# Allegro board reComputer Industrial J201_V1.2.brd (continued)
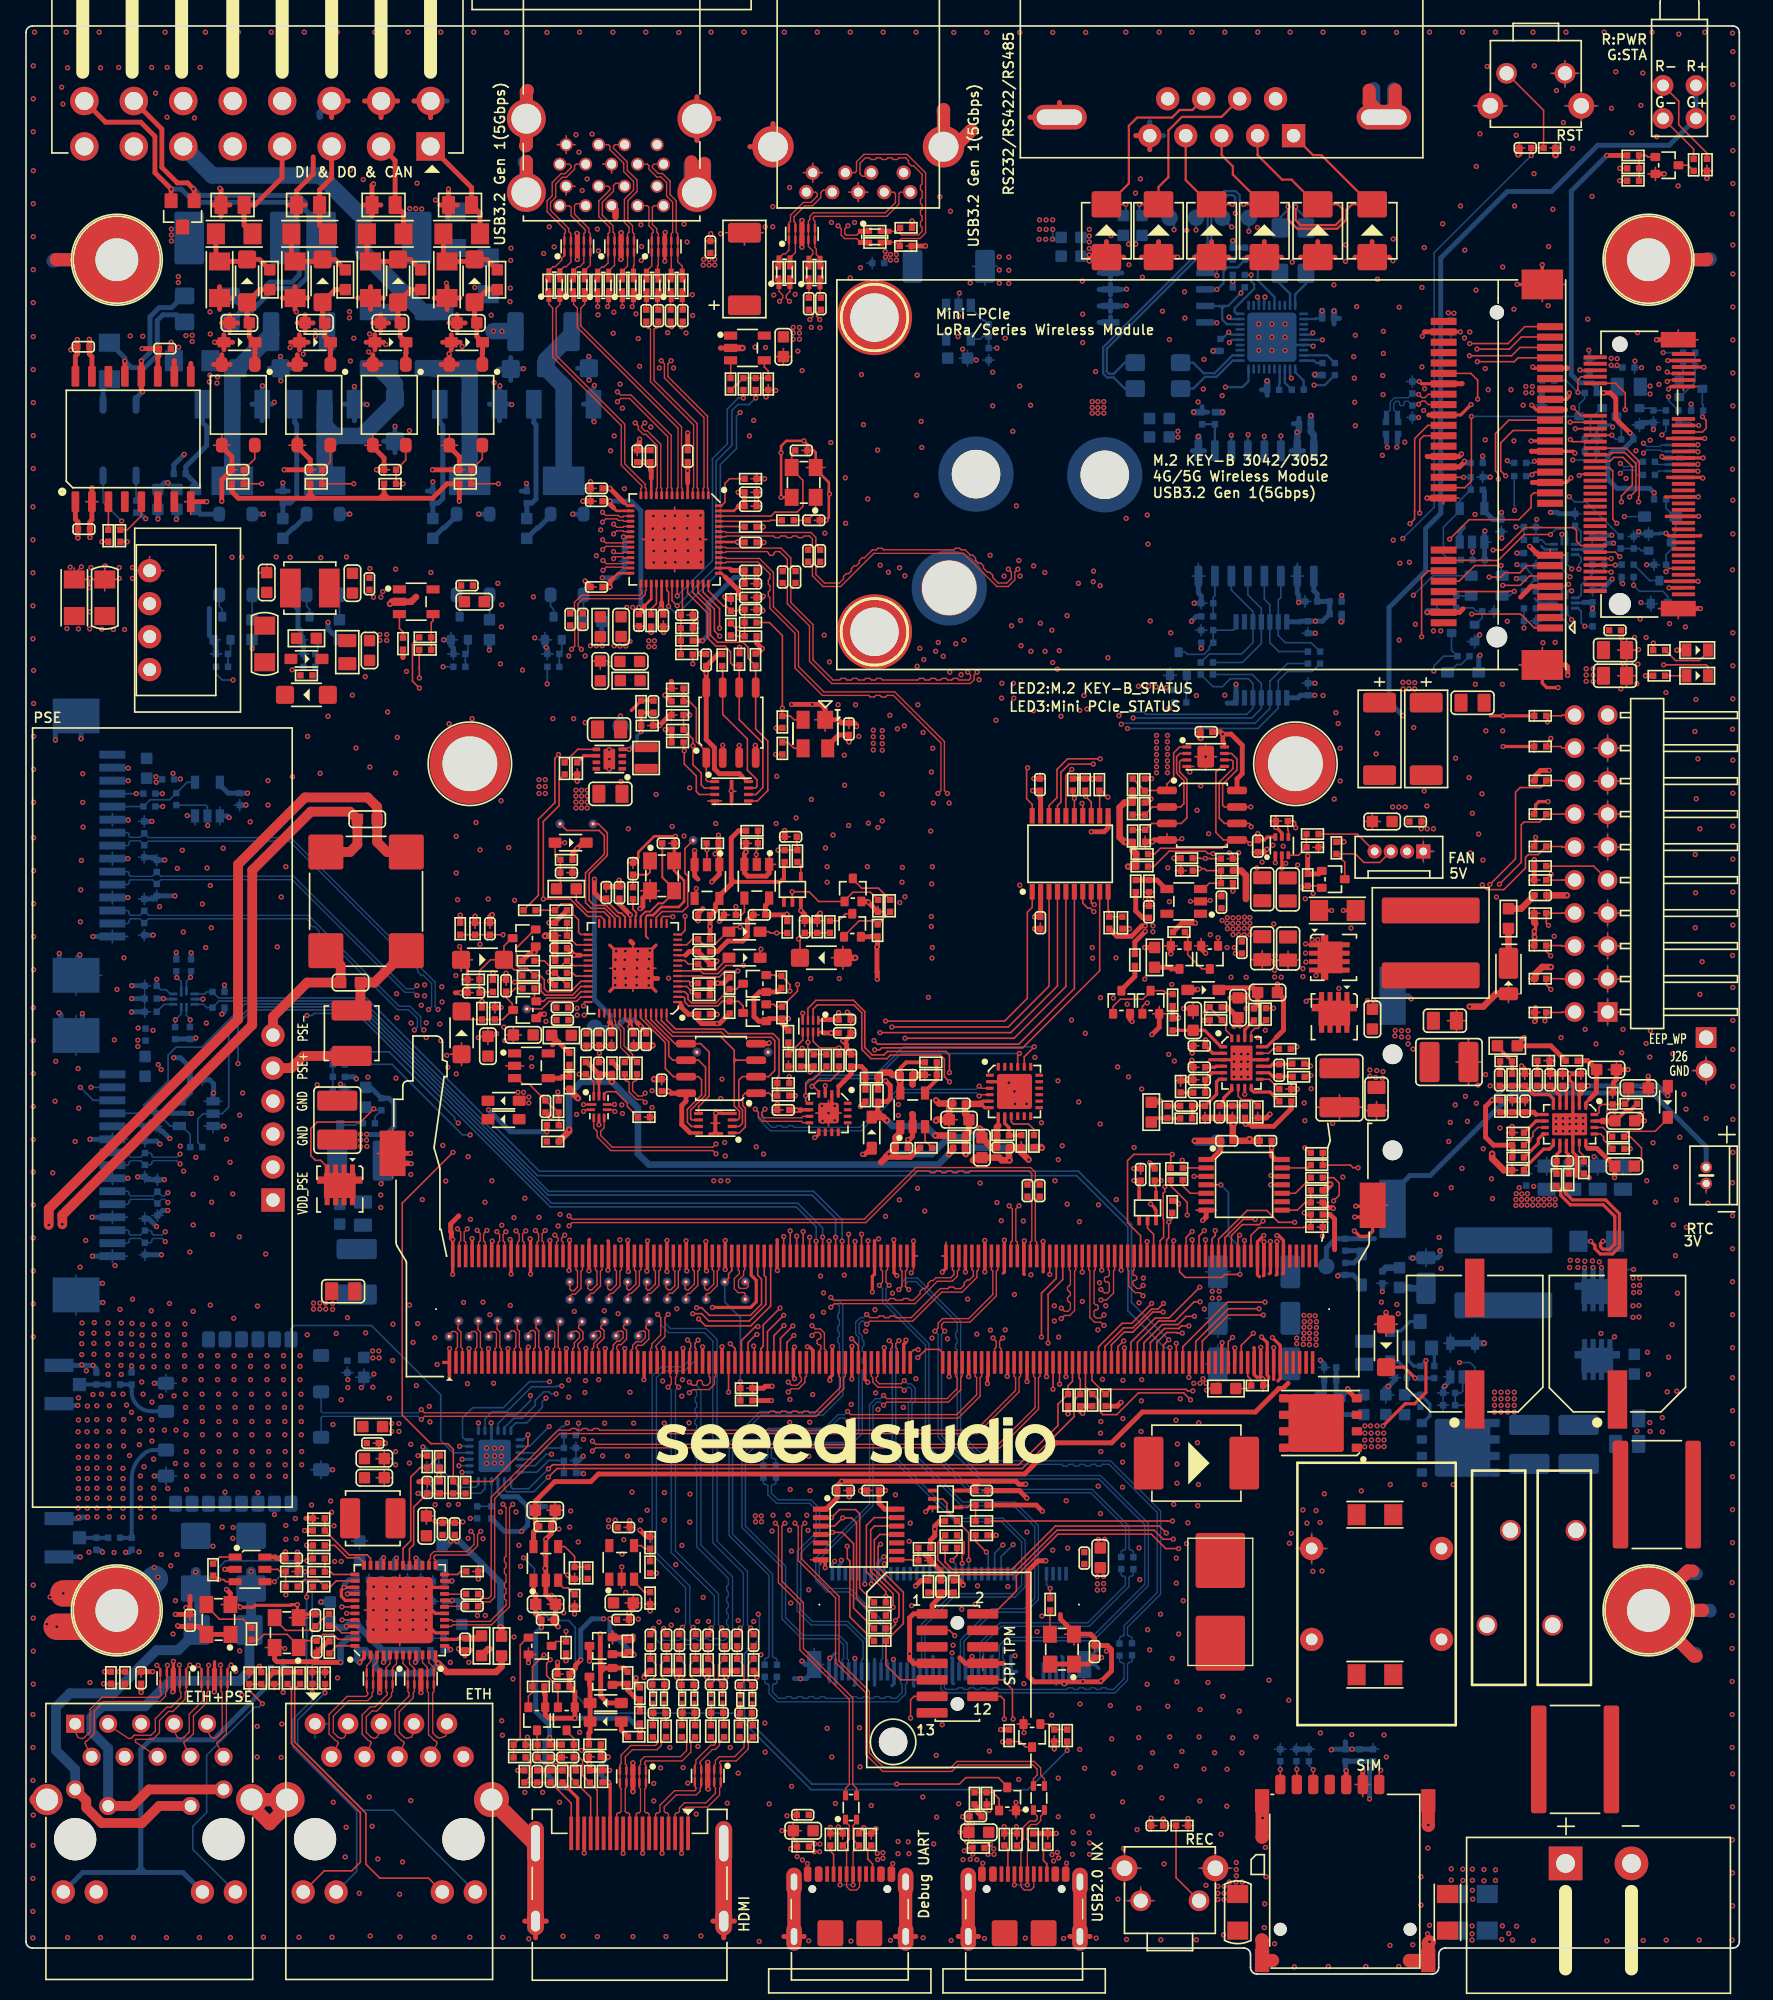
[diagram p0: board, top side]
## Routing (per net, layer and track width the routed paths; a pad name or vN(x,y) marks a point on that pad's centre or on a via; arc(x,y) is an arc through that point) (continued)
N28918072: length 2.2
  BOTTOM w0.127: 24.15,103.98 R342.2 24.15,104.42 24.16,104.43 Q36.1
N28918102: length 1.8
  BOTTOM w0.127: Q36.2 21.62,105.32 21.85,105.09 Q41.3
N28918106: length 2.7
  BOTTOM w0.381: R322.1 20.6,111.36 20.68,111.36 21.62,112.3 Q36.3
N28918108: length 9.6
  BOTTOM w0.381: Q30.1 20.71,119.46 20.86,119.31 20.86,113.76 20.36,113.26 R313.1 R322.2
N28918174: length 2.2
  BOTTOM w0.127: Q41.1 22.49,101.83 R348.1 22.3,101.1 22.3,101.1 R356.2
N28918232: length 12.7
  BOTTOM w1.27: Q31.4 Q31.2 15.9,123.22 D63.2 18.88,126.21 F5.1
N28918273: length 2.2
  BOTTOM w0.127: 17.41,103.98 R343.2 17.41,104.42 17.43,104.43 Q37.1
N28918303: length 1.8
  BOTTOM w0.127: Q37.2 14.89,105.32 15.12,105.09 Q42.3
N28918307: length 2
  BOTTOM w0.381: R323.1 13.43,112.41 Q37.3
N28918309: length 7.7
  BOTTOM w0.381: R323.2 13.06,114.77 R314.1 12.31,116.08 13.92,117.69 13.92,119.13 13.6,119.46 Q31.1
N28918375: length 2.2
  BOTTOM w0.127: R357.2 15.57,101.1 15.57,101.1 R349.1 15.76,101.83 Q42.1
N28955699: length 4
  TOP w0.127: LED2.2 129.58,101.82 128.91,101.14 127.09,101.14 R59.1
N29089173: length 2.2
  BOTTOM w0.305: C261.2 C263.2 J25.1
N29089582: length 2.2
  BOTTOM w0.305: C247.2 C246.1 J24.1
N29118590: length 7.7
  TOP w0.127: v1(126.34,107.98) 126.6,108.24 J6.67
  BOTTOM w0.127: v1(126.34,107.98) 126.34,108.5 C222.1 126.36,109.3 126.78,109.72 Q33.3 126.78,110.74 127.1,111.05 D67.1 127,112.22 126.36,112.86 R317.2
N29142445: length 2.2
  BOTTOM w0.127: R327.1 R326.1 124.26,109.77 124.44,109.6 Q33.1
N29154261: length 7.4
  TOP w0.107: L25.4 63.99,11.71 63.71,11.42 63.71,10.38 64.17,9.92 D56.2 63.81,9.54 63.81,9.54 63.72,9.45 J18.A7 v1(63.72,6.87) ; v1(62.72,6.87) 62.72,6.87 J18.B7
  BOTTOM w0.107: v1(63.72,6.87) v1(62.72,6.87)
N29154278: length 7.8
  TOP w0.107: L25.1 63.14,11.72 63.44,11.42 63.44,10.38 62.95,9.9 D55.2 62.93,9.89 63.22,9.59 J18.A6 63.22,6.74 63.49,6.47 63.99,6.47 64.22,6.7 J18.B6
N29165203: length 7
  TOP w0.127: R2.1 129.5,140.22 127.33,142.39 127.33,144.21 LED1.2
N29252447: length 3.8
  TOP w0.127: U29.8 44.54,67.75 44.73,67.94 45.44,67.94 46.33,67.05 46.33,66.8 R160.1
N29290663: length 3.1
  TOP w0.127: R154.1 R155.1 59.84,71.91 U24.5
N29342090: length 1.9
  BOTTOM w0.127: U45.8 119.6,110.09 119.79,110.28 119.79,111.07 R319.2
N29343428: length 3.2
  BOTTOM w0.127: R330.2 120.67,107.81 119.82,106.95 119.82,106.19 119.59,105.97 U46.8
N29431119: length 1.3
  BOTTOM w0.127: R441.1 111.31,106.12 D70.2 111.44,106.15
N29450122: length 2.3
  TOP w0.381: v1(110.82,116.48) 110.82,116.43 110.44,116.05 J5.24
  BOTTOM w0.381: v1(110.82,116.48) 110.95,116.35 R309.1
N29505719: length 2.6
  BOTTOM w0.178: U42.9 100.25,124.64 C209.1
N29505724: length 1.9
  BOTTOM w0.178: U42.11 97.79,123.34 98.44,122.68 C212.1
N29505727: length 4.6
  LAY4 w0.178: v1(99.24,122.35) 98.02,122.35 v1(97.49,122.88)
  BOTTOM w0.178: C209.2 100.06,122.35 v1(99.24,122.35) ; v1(97.49,122.88) 97.39,122.98 U42.12
N29505736: length 1.8
  BOTTOM w0.178: U42.13 96.99,122.53 C212.2
N29505798: length 1.5
  BOTTOM w0.178: C210.2 99.42,124.05 99.23,124.23 U42.10
N29505822: length 1.6
  BOTTOM w0.178: U42.14 96.59,122.49 96.55,122.45 C213.2
N29691331: length 3.2
  BOTTOM w0.127: U44.7 91.6,106.12 91.47,106 R335.2 R338.2
N29691473: length 3
  BOTTOM w0.178: U44.10 91.6,118.87 91.6,118.87 R299.1 R300.1
N29726895: length 4.3
  TOP w0.381: Q17.4 102.45,44.33 101.83,44.95 v1(101.83,45.05)
  BOTTOM w0.381: R369.1 R373.2 100.94,44.77 C248.2 101.37,44.47 101.83,44.93 v1(101.83,45.05)
N29996219: length 1.9
  TOP w0.127: U37.1 14.93,32.11 R229.2
N30008296: length 1.9
  TOP w0.127: J5.25 116.24,116.45 v1(116.21,116.48)
  BOTTOM w0.127: R308.2 116.08,116.35 v1(116.21,116.48)
N30008299: length 2
  TOP w0.127: v1(116.03,115.45) 116.23,115.65 J5.23
  BOTTOM w0.127: R310.2 115.92,115.34 v1(116.03,115.45)
N30018883: length 2.8
  TOP w0.127: U9.4 31.36,104.21 31.22,104.07 R63.2 R67.2
N30018889: length 1.9
  TOP w0.127: R66.1 29.05,103.34 28.77,103.62 U9.3
N30075251: length 2.5
  BOTTOM w0.127: R329.1 125.09,107.3 Q38.3
N30075786: length 2.8
  TOP w0.127: J6.23 v1(128.87,119.24)
  BOTTOM w0.127: R298.1 128.24,119.47 128.47,119.24 v1(128.87,119.24)
N30078619: length 4
  BOTTOM w0.127: R288.2 128.6,124.41 128.59,124.4 R292.1 128.59,122.58 127.44,121.42 Q24.1
N30121418: length 3.4
  BOTTOM w0.127: Q48.1 111.67,103.9 112.19,104.42 R388.2 111.75,104.92 111.48,105.2 R441.2
N30132742: length 4.7
  BOTTOM w0.127: U51.16 39.22,39.64 40.09,40.51 C305.1 R389.1
N30499680: length 1.8
  TOP w0.127: R416.2 69.27,64.16 U52.3
N30627968: length 2.9
  TOP w0.127: U54.9 75.91,65.62 76.08,65.45 77.25,65.45 77.65,65.04 R421.2
N30628418: length 2.6
  TOP w0.254: R424.1 76.67,64.58 R423.2 75.73,65.18 75.41,65.5 U54.8
N30655690: length 2.7
  TOP w0.127: U57.8 68.27,31.89 68.31,31.85 R428.2 R427.2
N30656126: length 3.4
  TOP w0.127: R429.2 R430.2 98.54,59.41 97.95,58.82 U58.8
N30659066: length 2.3
  TOP w0.127: U58.13 98.76,62.07 R202.1
N30659137: length 1.8
  TOP w0.127: U58.2 89.56,62.07 89.56,62.07 R431.2
N30783976:
  vias: v1(22.15,51.66) v1(22.15,51.2) v1(22.64,51.66) v1(22.64,51.2) v1(23.09,51.66) v1(23.09,51.2) v1(23.63,51.63) v1(23.63,51.18)
N30784065: length 12.1
  TOP w0.127: v1(26.8,66.62) 25.78,65.6 22.43,65.6 21.95,65.12 21.95,63.01 22.31,62.66 22.7,62.66 23.2,62.15 Q47.4
  BOTTOM w0.127: C288.2 26.67,66.75 v1(26.8,66.62) 26.91,66.51 R410.2 26.88,66.01 R411.1
N30784124: length 1.8
  BOTTOM w0.127: Q49.3 25.39,65.37 25.52,65.5 R411.2
N31050451: length 7
  TOP w0.762: L33.3 26.85,76.34 C303.1 25.77,74.87 L32.1
N31120979: length 2.2
  BOTTOM w0.127: D101.2 109.62,100.22 110.23,100.83 110.57,100.83 R287.1
N31122927: length 2.2
  TOP w0.127: Q32.1 78.8,19.25 R435.1 R434.2
N31123236: length 2.7
  TOP w0.127: R439.1 98.99,61.31 97.8,60.12 U58.10
N31123275: length 2.5
  TOP w0.127: R436.2 89.11,60.7 89.69,60.12 U58.5
N31392468: length 103.9
  LAY3 w0.127: v1(41.28,45.28) 41.28,45.9 42.6,47.22 42.6,48.2 42.97,48.57 43.83,48.57 44.96,49.7 44.96,51.18 45.7,51.91 45.7,55.2 45.09,55.81 45.09,63.95 45.83,64.69 56.35,64.69 57.57,63.47 61.51,63.47 63.22,65.18 63.22,70.22 63.83,70.84 63.83,73.25 66.45,75.86 66.45,86.54 67.21,87.3 67.21,95.73 67.14,95.8 v1(67.14,95.88)
  LAY4 w0.127: v1(88.07,97.45) 84.24,97.45 82.44,95.65 69.73,95.65 69.28,95.21 68.9,95.21 68.56,95.55 67.47,95.55 v1(67.14,95.88)
  BOTTOM w0.127: v1(41.28,45.28) 40.89,45.28 40.82,45.22 38.95,45.22 37.04,43.3 35.92,43.3 35.36,42.74 U51.8 ; v1(88.07,97.45) 88.12,97.51 88.12,97.58 88.44,97.91 R446.1

## Copper pours and planes (outline as drawn; the poured copper is in the pictures)
3V3_LDO on TOP: 40.77,70.73 40.77,71.72 40.95,71.9 40.95,72.56 40.82,72.69 38.99,72.69 38.87,72.56 38.87,72.18 39.73,71.32 39.73,70.71 39.91,70.53 40.57,70.53
3V3_MCU on TOP: 43.97,74.87 42.96,74.87 42.65,74.57 41.56,74.57 41.46,74.47 41.46,72.59 42.19,71.85 42.52,71.85 42.88,72.21 44.38,72.21 44.63,72.46 44.63,74.26 44.58,74.32 44.5,74.32 44.48,74.29 44.48,73.68 44.43,73.63 44.28,73.63 44.23,73.68 44.23,74.62
3V3_MCU on LAY3: 44.63,89.45 38.84,83.66 38.84,71.24 41.66,68.42 48.75,68.42 49.71,67.46 59.49,67.46 59.95,67.91 59.95,72.23 59.34,72.84 58.3,72.84 58.02,73.12 58.02,81.81 60.38,84.17 60.38,88.89 59.82,89.45
5V_ISO on TOP: 21.85,99.89 21.85,103.09 22.41,103.65 27.74,103.65 28.02,103.37 28.02,102.46 27.74,102.18 23.7,102.18 23.4,101.87 23.4,99.89 23.14,99.64 22.1,99.64
5V_ISO on BOTTOM: 85.78,119.91 82,119.91 81.87,120.04 81.87,121.25 82.1,121.48 82.91,121.48 83.49,120.9 86.64,120.9 86.95,120.59 86.95,119.48 86.87,119.4 86.29,119.4
5V_ISO on LAY3: 19.28,96.64 14.71,96.64 13.44,97.91 8.61,97.91 7.67,98.85 7.67,101.98 7.27,102.38 2.92,102.38 2.47,102.84 2.47,123.34 3.99,124.86 12.42,124.86 13.03,125.47 13.03,130.83 12.86,131.01 11.69,131.01 11.51,130.83 11.51,128.67 10.93,128.09 4.6,128.09 1.38,124.86 1.38,101.52 2.59,100.3 5.29,100.3 6.05,99.54 6.05,97.48 7.34,96.18 12.09,96.18 13.49,94.79 20.25,94.79 28.02,102.56 28.02,103.22 27.84,103.4 26.04,103.4
5V_ISO on LAY4: 83.42,120.14 83.42,121 79.63,124.79 79.63,128.77 75.8,132.61 12.65,132.61 11.51,131.47 11.51,129.81 11.74,129.59 13.14,129.59 13.97,130.42 73.87,130.42 77.22,127.07 77.22,124.35 81.61,119.96 83.24,119.96
GND on TOP: 125.15,104.29 123.35,104.29 122.69,103.63 122.69,98.7 122.97,98.42 124.24,98.42 124.67,98.85 124.67,102.31 125.48,103.12 125.48,103.96
GND on TOP: 45.88,100.5 43.82,100.5 43.59,100.73 43.59,101.52 43.84,101.77 44.73,101.77 45.11,102.15 45.11,103.2 45.34,103.42 46.23,103.42 46.84,104.03 47.43,104.03 47.65,103.8 47.65,103.37 46.18,101.9 46.18,100.81
GND on TOP: 126.85,64.05 125.43,64.05 125.15,63.77 125.15,61.56 125.35,61.36 127.21,61.36 127.49,61.64 127.49,63.42
GND on TOP: 111.66,55.8 120.1,55.8 120.88,55.01 124.26,55.01 124.57,54.71 124.57,50.21 124.16,49.8 109.17,49.8 101.55,57.42 101.55,63.55 103.18,65.17 108.87,65.17 110.65,63.39 110.65,56.81
GND on TOP: 49.31,74.62 44.66,74.62 43.95,75.33 43.95,79.88 44.05,79.98 48.59,79.98 49.1,79.47 49.1,77.52 49.69,76.93 49.69,75 ; 1 cut-out
GND on TOP: 41.84,36.57 40.69,36.57 40.21,36.09 40.21,34.18 39.75,33.73 39.75,29.33 40.34,28.75 40.34,26.79 40.62,26.51 42.04,26.51 42.57,27.05 42.57,28.39 42.45,28.52 41.63,28.52 40.34,29.81 40.34,33.4 40.87,33.93 41.86,33.93 42.24,34.31 42.24,36.16
GND on TOP: 42.73,71.55 42.9,71.72 45.17,71.72 45.32,71.57 45.32,70.15 45.14,69.97 43.9,69.97 43.74,70.12 43.74,70.56 43.59,70.71 42.93,70.71 42.73,70.91
GND on TOP: 96.65,47.98 94.54,47.98 94.42,48.1 94.42,49.09 94.59,49.27 96.5,49.27 96.75,49.02 96.75,48.08
GND on TOP: 58.32,121.97 55.4,121.97 55.02,122.35 55.02,124.79 54.89,124.91 53.95,124.91 53.85,125.01 53.85,125.42 53.95,125.52 57.43,125.52 57.71,125.24 59.8,125.24 60.05,124.99 60.05,124.3 59.74,124 58.3,124 57.38,124.91 56.29,124.91 56.06,124.68 56.06,123.62 57.1,122.58 58.27,122.58 58.5,122.35 58.5,122.14
GND on TOP: 95.66,86.53 92.54,86.53 92.31,86.3 92.31,85.77 92.61,85.47 94.14,85.47 94.57,85.03 94.57,84.12 94.85,83.84 97.69,83.84 98.1,84.25 98.1,85.57 97.9,85.77 96.14,85.77 96.12,85.75 95.89,85.97 95.89,86.3
GND on TOP: 89.18,73.73 90.2,73.73 90.86,73.07 91.24,73.07 91.39,73.22 91.39,73.73 91.27,73.86 90.96,73.86 90.71,74.11 90.71,74.85 90.45,75.1 89.03,75.1 88.8,74.87 88.8,74.11
GND on TOP: 57.26,64.76 56.29,64.76 55.88,64.36 55.88,63.32 56.19,63.01 57.23,63.01 57.51,63.29 57.51,64.51
GND on TOP: 47.32,35.33 46.46,35.33 46.23,35.1 46.23,33.98 45.62,33.37 45.62,29.61 46.26,28.98 46.26,27.22 46.46,27.02 48.26,27.02 48.67,27.43 48.67,28.44 48.42,28.7 47.27,28.7 46.18,29.79 46.18,33.35 46.64,33.8 47.35,33.8 47.63,34.08 47.63,35.02
GND on TOP: 13.29,107.13 7.65,107.13 6.86,106.34 3.41,106.34 3.1,106.65 3.1,108.33 3.89,109.11 12.02,109.11 13.34,110.43 26.65,110.43 26.95,110.13 26.95,107.54 26.62,107.21 24.95,107.21 24.54,107.61 24.54,108.35 24.03,108.86 19.21,108.86 19,108.66 19,107.72 18.75,107.46 13.62,107.46
GND on TOP: 30.15,61.51 29.42,60.78 27.28,60.78 26.85,61.21 26.85,65.32 27.28,65.76 29.9,65.76 30.15,65.5
GND on TOP: 89.44,32.3 88.4,32.3 88.22,32.48 88.22,33.88 88.47,34.13 89.44,34.13 89.64,33.93 89.64,32.51
GND on TOP: 73.16,9.34 73.16,11.55 72.95,11.76 72.95,12.47 72.77,12.64 71.96,12.64 71.23,11.91 71.23,10.51 71.4,10.33 71.71,10.33 71.99,10.05 71.99,8.71 72.14,8.55 73.08,8.55 73.36,8.28 73.36,7.26 73.44,7.18 73.84,7.18 73.94,7.28 73.94,8.55
GND on TOP: 99.8,77.77 98.81,77.77 98.78,77.74 98.78,76.75 98.58,76.55 92.69,76.55 92.28,76.96 92.28,78.46 92.64,78.81 97.87,78.81 98.2,79.14 98.2,79.67 98.4,79.88 99.67,79.88 99.9,79.65 99.9,79.19 99.78,79.07 98.81,79.07 98.78,79.04 98.78,78.81 98.81,78.79 99.85,78.79 99.93,78.71 99.93,78.51 99.85,78.43 98.81,78.43 98.78,78.4 98.78,78.15 98.81,78.13 99.78,78.13 99.88,78.02 99.88,77.85
GND on TOP: 102.67,30.07 99.7,30.07 97.64,32.13 97.64,33.5 98.48,34.34 102.06,34.34 103.1,33.29 103.1,30.5
GND on TOP: 30.81,41.17 27.28,41.17 27,40.89 27,37.59 27.13,37.46 28.43,37.46 30.61,39.64 31.14,39.64 31.27,39.77 31.27,40.71
GND on TOP: 33.86,36.37 30.81,36.37 30.26,35.81 30.26,34.92 30.56,34.62 33.96,34.62 34.14,34.79 34.14,36.09
GND on TOP: 99.22,68.63 97.51,68.63 97.29,68.4 97.29,67.94 97.44,67.79 97.95,67.79 98.23,67.51 98.23,65.63 98.61,65.25 102.39,65.25 102.95,65.81 107.12,65.81 107.93,66.62 115.4,66.62 115.98,67.2 115.98,74.19 115.5,74.67 109.63,74.67 109.53,74.57 109.53,69.08 107.75,67.3 103.1,67.3 102.7,67.71 100.13,67.71
GND on TOP: 103.74,88.34 100.99,88.34 99.42,89.91 97.21,89.91 95.81,91.31 95.81,94.58 97.26,96.03 105.82,96.03 107.27,94.58 107.27,93.49 104.12,90.34 104.12,88.72
GND on TOP: 46.38,89.96 45.62,89.96 45.42,90.16 45.42,91.54 44.5,92.45 44.5,94.41 44.25,94.66 42.98,94.66 42.63,95.02 42.63,96.39 42.98,96.74 44.33,96.74 44.56,96.51 44.56,95.47 45.37,94.66 45.37,94 45.44,93.92 46.16,93.92 46.21,93.87 46.21,93.72 46.16,93.67 45.47,93.67 45.37,93.57 45.37,92.98 45.42,92.93 46.26,92.93 46.54,92.65 46.54,90.11
GND on TOP: 38.23,73.07 34.93,73.07 34.22,72.36 30.53,72.36 30.08,71.9 30.08,70.89 30.79,70.18 33.53,70.18 35.03,71.67 38.13,71.67 38.36,71.45 38.36,70.35 38.26,70.25 37.21,70.25 37.16,70.2 37.16,69.74 37.27,69.64 39.22,69.64 39.45,69.87 39.45,71.06 38.46,72.05 38.46,72.84
GND on TOP: 57.41,133.45 57.41,134.82 57.13,135.1 52.76,135.1 52.25,134.59 52.25,133.29 52.38,133.17 57.13,133.17
GND on TOP: 107.17,86.23 107.17,89.02 107.42,89.28 108.44,89.28 108.74,88.97 108.74,86.69 108.03,85.97 107.42,85.97
GND on TOP: 66.7,10.76 67.03,11.09 68.84,11.09 68.94,10.99 68.94,9.11 68.58,8.76 67.29,8.76 66.96,8.43 66.96,7.34 66.83,7.21 66.53,7.21 66.37,7.36 66.37,8.61 66.7,8.94
GND on TOP: 104.27,74.06 103.28,74.06 103.08,74.26 103.08,74.7 103.15,74.77 103.15,75 103.23,75.08 104.07,75.08 104.42,74.72 104.42,74.21
GND on TOP: 59.72,9.32 59.72,11.53 59.52,11.73 59.52,12.54 59.34,12.72 58.63,12.72 57.79,11.88 57.79,10.49 57.97,10.31 58.27,10.31 58.55,10.03 58.55,8.68 58.7,8.53 59.64,8.53 59.92,8.25 59.92,7.23 60,7.16 60.41,7.16 60.51,7.26 60.51,8.53
GND on TOP: 80.14,10.71 80.47,11.04 82.27,11.04 82.38,10.94 82.38,9.06 82.02,8.71 80.73,8.71 80.39,8.38 80.39,7.28 80.27,7.16 79.96,7.16 79.81,7.31 79.81,8.55 80.14,8.88
GND on TOP: 109.68,8.3 109.48,8.1 109.48,7.61 108.72,6.85 108.72,5.56 108.77,5.51 113.31,5.51 113.57,5.76 113.57,8.05 113.31,8.3
GND on TOP: 92.26,83.51 91.67,83.51 91.06,82.9 87.48,82.9 86.87,83.51 86.24,83.51 86.03,83.31 86.03,82.34 86.29,82.09 87.23,82.09 87.43,82.29 91.24,82.29 91.7,82.75 92.23,82.75 92.36,82.88 92.36,83.41
GND on BOTTOM: 111.28,126.69 109.68,126.69 109.45,126.46 109.45,125.85 109.78,125.52 111.23,125.52 111.48,125.78 111.48,126.49
GND on BOTTOM: 65.43,132.23 65.33,132.33 64.57,132.33 62.84,130.6 62.84,126.13 63.99,124.99 66.83,124.99 67.72,125.88 67.72,128.67 65.43,130.96
GND on BOTTOM: 45.04,75.99 45.14,75.89 48.06,75.89 48.26,76.09 48.26,77.39 48.09,77.57 45.22,77.57 45.04,77.39
GND on BOTTOM: 115.29,61.46 123.85,61.46 124.34,61.95 124.34,63.95 123.24,65.04 115.4,65.04 114.86,64.51 114.86,61.89
GND on BOTTOM: 95.61,43.51 95.61,54.63 97.11,56.13 97.11,57.37 96.73,57.75 94.59,57.75 93.86,57.02 93.86,53.39 93.37,52.9 92.92,52.9 92.69,53.13 92.69,55.34 92.31,55.72 89.44,55.72 88.7,54.99 88.7,43.81 89.79,42.72 94.82,42.72
GND on BOTTOM: 24.54,46.45 26.93,46.45 27.28,46.1 27.28,45.21 26.88,44.8 24.62,44.8 24.31,45.11 24.31,46.22
GND on BOTTOM: 31.27,30.63 26.47,30.63 26.17,30.32 26.17,26.87 27.41,25.62 32.19,25.62 32.41,25.85 32.41,27.3 31.6,28.11 31.6,30.3
GND on BOTTOM: 121.52,54.17 118.83,54.17 118.62,54.38 118.62,55.01 118.83,55.21 121.44,55.21 121.62,55.04 121.62,54.27
GND on BOTTOM: 73.05,132.68 71.58,131.21 71.58,125.37 71.94,125.01 71.94,123.87 72.24,123.57 74.3,123.57 74.5,123.77 74.5,124.3 74.32,124.48 73.64,124.48 73.05,125.06 72.6,125.06 72.11,125.55 72.11,129.1 72.32,129.31 79.86,129.31 80.19,129.64 80.19,132.35 79.86,132.68
GND on BOTTOM: 108.94,105.53 107.47,105.53 106,104.06 106,103.37 106.56,102.81 107.34,102.81 107.62,103.09 107.62,104.03 108.18,104.59 108.89,104.59 109.1,104.8 109.1,105.38
GND on BOTTOM: 117.17,121.05 115.12,121.05 114.94,120.87 114.94,120.52 115.24,120.21 117.2,120.21 117.4,120.42 117.4,120.82
GND on BOTTOM: 23.7,32.61 30.23,32.61 31.7,34.08 31.7,37.05 30.79,37.97 24.16,37.97 22.99,36.8 22.99,33.32
GND on BOTTOM: 102.34,51.56 102.98,52.19 103.71,52.19 103.97,52.45 103.97,53.06 104.27,53.36 104.83,53.36 105.03,53.16 105.03,52.55 105.95,51.63 105.95,50.72 105.77,50.54 104.07,50.54 103.89,50.36 103.89,48.61 103.64,48.36 102.47,48.36 102.34,48.48
GND on BOTTOM: 114.25,39.8 114.13,39.67 114.13,38.43 113.57,37.87 97.69,37.87 96.8,36.98 96.8,32.71 98.38,31.14 101.55,31.14 106.07,35.66 120.37,35.66 126.27,41.55 126.27,43.15 125.96,43.45 123.91,43.45 123.73,43.28 123.73,40.23 123.3,39.8
GND on BOTTOM: 112.68,147.49 128.73,147.49 130,146.22 130,138.27 128.65,136.93 122.28,136.93 119.99,134.64 119.99,128.72 121.87,126.84 129.32,126.84 130,126.16 130,58.77 127.64,56.41 127.64,42.92 120.37,35.66 106.1,35.66 103.2,32.76 103.2,25.8 113.64,15.36 113.64,5.84 113.31,5.51 109.88,5.51 109.48,5.91 109.48,14.9 109.12,15.26 106.51,15.26 104.4,13.15 96.96,13.15 96.24,13.86 96.24,14.93 95.91,15.26 93.88,15.26 93.55,14.93 93.55,7.56 94.16,6.95 94.16,5.68 93.96,5.48 91.57,5.48 90.91,4.82 83.82,4.82 83.37,5.28 83.37,8.4 82.81,8.96 80.67,8.96 80.39,8.68 80.39,8.38 80.29,8.28 73.66,8.28 72.98,8.96 67.11,8.96 66.4,8.25 60.28,8.25 59.57,8.96 57.84,8.96 57.53,9.27 57.53,12.06 57.05,12.54 52.28,12.54 51.69,11.96 51.69,9.27 51.16,8.73 41.76,8.73 41.33,9.16 41.33,12.64 40.49,13.48 38.15,13.48 37.82,13.81 37.82,15.11 36.91,16.02 20.02,16.02 19.51,16.53 19.51,34.77 18.77,35.5 10.7,35.5 9.17,33.98 9.17,32.58 8.82,32.23 4.88,32.23 4.3,31.64 2.01,31.64 1.32,32.33 1.32,97.86 1.71,98.24 5.13,98.24 5.41,97.96 5.41,94.91 6.15,94.18 9.96,94.18 11.31,92.83 13.52,92.83 13.9,93.21 13.9,106.55 14.43,107.08 43.69,107.08 45.22,108.61 45.22,127.15 40.87,131.49 32.52,131.49 32.26,131.74 32.26,133.49 32.38,133.6 42.98,133.6 43.97,132.61 75.67,132.61 76.08,132.2 76.08,123.57 86.82,112.82 86.82,110.05 87.91,108.96 99.44,108.96 100.94,110.46 100.94,112.31 104.09,115.46 104.09,127.2 107.42,130.53 107.42,133.8 111.18,137.56 111.18,145.99 ; 22 cut-outs
GND on BOTTOM: 124.03,121.46 125.35,121.46 125.76,121.86 125.76,124.38 125.28,124.86 124.26,124.86 123.7,124.3 123.7,121.79
GND on GND02: 32.03,96.41 37.42,96.41 38.23,95.6 38.23,91.31 36.91,89.99 31.6,89.99 30.66,90.93 30.66,95.04
GND on GND02: 128.73,147.49 112.68,147.49 111.18,145.99 111.18,137.56 107.4,133.78 107.4,132.3 107.42,132.28 107.42,130.53 104.09,127.2 104.09,115.46 100.94,112.31 100.94,110.46 99.44,108.96 87.91,108.96 86.82,110.05 86.82,115.95 83.11,119.65 79.99,119.65 76.08,123.57 76.08,132.23 67.92,140.38 60.84,140.38 55.45,135 50.68,135 50.19,135.48 50.19,136.65 49.79,137.05 49.79,141.32 49.2,141.9 41.53,141.9 40.57,140.94 40.57,138.22 40.36,138.02 40.36,136.93 40.03,136.6 40.03,132.96 38.51,131.44 38.51,119.63 37.42,118.54 13.97,118.54 13.59,118.16 13.59,114.55 13.26,114.22 3.86,114.22 3.1,113.46 3.1,106.65 3.41,106.34 6.86,106.34 7.65,107.13 13.29,107.13 13.62,107.46 18.75,107.46 19,107.72 19,108.66 19.21,108.86 24.03,108.86 24.54,108.35 24.54,105.53 25.02,105.05 27.79,105.05 28.66,104.19 28.66,98.52 22.97,92.83 11.31,92.83 10.42,93.72 6.61,93.72 5.41,94.91 5.41,97.96 5.13,98.24 1.71,98.24 1.32,97.86 1.32,66.67 1.88,66.11 7.5,66.11 14.94,73.55 14.94,85.69 21.19,91.94 29.19,91.94 32.87,88.26 32.87,76.98 32.26,76.37 29.14,76.37 28.45,75.69 28.45,69.36 27.82,68.73 21.31,68.73 20.7,68.12 14.15,68.12 3.79,57.75 3.79,35.15 3.97,34.97 17.1,34.97 18.27,33.8 18.27,30.37 17.73,29.84 17.2,29.84 15.62,31.41 15.02,31.41 14.66,31.06 14.66,30.4 14.1,29.84 12.07,29.84 11.1,28.87 11.1,25.67 8.94,23.52 5.06,23.52 2.98,21.43 2.98,18.54 5.49,16.02 21.11,16.02 22.15,14.98 22.15,9.19 20.35,7.39 20.35,5.94 21.09,5.2 35.13,5.2 35.56,5.63 35.56,8.4 34.19,9.77 34.19,14.55 35.36,15.72 37.21,15.72 37.82,15.11 37.82,13.81 38.15,13.48 40.49,13.48 41.33,12.64 41.33,9.16 41.76,8.73 51.16,8.73 51.69,9.27 51.69,11.96 52.28,12.54 57.05,12.54 57.53,12.06 57.53,9.27 57.84,8.96 59.57,8.96 59.92,8.61 59.92,7.74 60.94,6.73 65.84,6.73 66.96,7.84 66.96,8.81 67.11,8.96 72.98,8.96 73.36,8.58 73.36,7.74 74.63,6.47 79.07,6.47 80.39,7.79 80.39,8.68 80.67,8.96 82.81,8.96 83.37,8.4 83.37,5.28 83.82,4.82 90.91,4.82 91.57,5.48 93.96,5.48 94.16,5.68 94.16,6.95 93.55,7.56 93.55,14.93 93.88,15.26 95.91,15.26 96.24,14.93 96.24,13.86 96.96,13.15 104.4,13.15 105.49,14.24 105.49,19.2 103.1,21.58 103.1,36.22 104.37,37.49 110.06,37.49 110.21,37.64 110.21,40.08 111.46,41.32 126.04,41.32 127.64,42.92 127.64,56.41 130,58.77 130,126.16 129.32,126.84 121.87,126.84 119.99,128.72 119.99,134.64 122.28,136.93 128.65,136.93 130,138.27 130,146.22
GND on GND02: 99.57,96.41 95.66,96.41 94.47,95.22 94.47,91.87 96.47,89.86 99.04,89.86 101.12,91.94 101.12,94.86
GND on LAY4: 112.68,147.49 128.73,147.49 130,146.22 130,138.27 128.65,136.93 122.28,136.93 119.99,134.64 119.99,128.72 121.87,126.84 129.32,126.84 130,126.16 130,58.77 127.64,56.41 127.64,42.92 120.37,35.66 106.1,35.66 103.2,32.76 103.2,25.8 113.64,15.36 113.64,5.84 113.31,5.51 109.78,5.51 109.48,5.81 109.48,14.9 109.12,15.26 106.51,15.26 104.4,13.15 96.96,13.15 96.24,13.86 96.24,14.93 95.91,15.26 93.88,15.26 93.55,14.93 93.55,7.56 94.16,6.95 94.16,5.68 93.96,5.48 91.57,5.48 90.91,4.82 83.82,4.82 83.37,5.28 83.37,8.4 82.81,8.96 80.67,8.96 80.39,8.68 80.39,7.79 79.07,6.47 74.63,6.47 73.36,7.74 73.36,8.58 72.98,8.96 67.11,8.96 66.96,8.81 66.96,7.84 65.84,6.73 60.94,6.73 59.92,7.74 59.92,8.61 59.57,8.96 57.84,8.96 57.53,9.27 57.53,12.06 57.05,12.54 52.28,12.54 51.69,11.96 51.69,9.27 51.16,8.73 41.76,8.73 41.33,9.16 41.33,12.64 40.49,13.48 38.15,13.48 37.82,13.81 37.82,15.11 37.21,15.72 35.36,15.72 34.19,14.55 34.19,9.77 35.56,8.4 35.56,5.63 35.13,5.2 21.09,5.2 20.35,5.94 20.35,7.39 22.15,9.19 22.15,14.98 19.77,17.37 19.77,34.92 19.18,35.5 10.7,35.5 9.17,33.98 9.17,32.58 8.82,32.23 4.88,32.23 4.3,31.64 1.6,31.64 1.32,31.92 1.32,97.86 1.71,98.24 5.13,98.24 5.41,97.96 5.41,94.91 6.15,94.18 9.96,94.18 11.31,92.83 13.52,92.83 13.9,93.21 13.9,106.55 14.43,107.08 44.33,107.08 44.66,107.41 44.66,115.21 45.19,115.74 45.19,129.2 45.7,129.71 72.37,129.71 76.08,126 76.08,123.57 86.82,112.82 86.82,110.05 87.91,108.96 99.44,108.96 100.94,110.46 100.94,112.31 104.09,115.46 104.09,127.2 107.42,130.53 107.42,133.8 111.18,137.56 111.18,145.99 ; 40 cut-outs
GND on PWR05: 4.37,98.24 1.71,98.24 1.32,97.86 1.32,31.92 1.6,31.64 4.3,31.64 4.88,32.23 8.82,32.23 9.17,32.58 9.17,33.98 10.7,35.5 15.57,35.5 17.45,37.38 17.45,51.99 16.18,53.26 6.33,53.26 4.65,54.94 4.65,97.96
GND on PWR05: 61.75,122.22 70.87,113.1 83.8,113.1 84.31,113.61 84.31,115.34 76.08,123.57 76.08,132.2 75.67,132.61 43.97,132.61 42.98,133.6 36.43,133.6 36.3,133.47 36.3,131.64 36.45,131.49 40.87,131.49 45.22,127.15 45.22,122.63 45.62,122.22
GND_DI on TOP, GND02, LAY3: 35.69,123.41 14.58,123.41 13.97,124.02 13.97,136.75 14.86,137.64 16.26,137.64 17.86,139.24 17.86,140.84 18.29,141.27 21.37,141.27 22,141.9 22,143.99 22.36,144.34 31.88,144.34 32.74,143.48 32.74,140.89 35.92,137.71 35.92,135.2 36.3,134.82 36.3,132.81 37.01,132.1 37.01,124.73
GND_DI on BOTTOM: 22,143.99 22.36,144.34 32.59,144.34 34.04,142.9 34.04,135.78 33.29,135.03 32.24,135.03 29.71,137.57 25.98,137.57 24.77,138.78 24.77,140.53 24.23,141.07 22.7,141.07 22,141.77
GND_DO on BOTTOM: 40.97,130.04 44.07,126.94 44.07,113.13 43.77,112.82 12.27,112.82 11.92,113.18 11.92,121.58 13.52,123.18 13.52,123.87 15.52,125.88 15.52,126.89 16.21,127.58 17.5,127.58 19.18,129.26 21.29,129.26 22.08,130.04 ; 2 cut-outs
GND_DO on LAY4: 43.49,111.5 12.27,111.5 11.92,111.86 11.92,121.58 13.52,123.18 13.52,123.87 15.52,125.88 15.52,127.53 17.1,129.1 41.91,129.1 44.07,126.94 44.07,112.09 ; 2 cut-outs
GND_DO on PWR05: 14.84,145.28 20.32,145.28 20.86,144.75 20.86,141.4 27.54,134.72 27.54,132.18 29.67,130.04 40.97,130.04 44.07,126.94 44.07,113.13 43.77,112.82 12.27,112.82 11.92,113.18 11.92,121.58 13.52,123.18 13.52,123.87 15.52,125.88 15.52,127.53 16.92,128.93 16.92,132.51 16.23,133.19 12.22,133.19 8.26,137.15 6.13,137.15 3.41,139.87 3.41,141.96 3.81,142.36 13.67,142.36 14.33,143.02 14.33,144.77 ; 1 cut-out
GND_ISO on TOP: 14.71,96.64 13.44,97.91 8.61,97.91 7.67,98.85 7.67,101.52 8.23,102.08 9.94,102.08 10.44,102.59 10.44,103.32 9.88,103.88 8.26,103.88 6.89,105.25 2.75,105.25 2.47,105.53 2.47,125.14 3.51,126.18 4.22,126.18 4.78,125.62 10.72,125.62 11.13,125.22 11.13,124.12 11.38,123.87 12.86,123.87 13.03,124.05 13.03,137.46 14.08,138.5 14.08,147.67 13.64,148.1 3.31,148.1 2.44,147.24 2.44,138.86 4.14,137.15 8.26,137.15 11,134.41 11,133.34 11.51,132.84 11.51,128.67 10.93,128.09 3.76,128.09 1.38,125.7 1.38,102.74 2.04,102.08 5.57,102.08 6.05,101.59 6.05,97.48 7.34,96.18 12.09,96.18 13.49,94.79 22.03,94.79 26.9,99.66 26.9,101.29 26.65,101.54 24.31,101.54 24.03,101.26 24.03,99.54 23.68,99.18 22.91,99.18 22.58,98.85 22.58,97.94 21.29,96.64 ; 1 cut-out
GND_ISO on BOTTOM: 11.84,131.72 11.84,132.51 11,133.34 11,135.07 11.48,135.55 13.08,135.55 13.49,135.15 13.49,131.77 13.36,131.64 11.92,131.64
GND_ISO on BOTTOM: 30.53,136.16 29.39,136.16 29.06,135.83 29.06,132.18 29.52,131.72 30.66,131.72 30.92,131.97 30.92,135.78
GND_ISO on BOTTOM: 80.17,133.45 79.99,133.27 77.98,133.27 77.83,133.42 77.83,135.12 78.01,135.3 79.53,135.3 80.17,134.67
GND_ISO on BOTTOM: 10.72,123.69 10.72,125.93 11.79,126.99 12.81,126.99 13.03,126.77 13.03,125.62 12.65,125.24 12.27,125.24 12.09,125.06 12.09,123.72 11.84,123.46 10.95,123.46
GND_ISO on GND02: 11.51,128.67 11.51,132.84 11,133.34 11,134.41 8.26,137.15 4.14,137.15 2.44,138.86 2.44,147.24 3.31,148.1 13.64,148.1 14.08,147.67 14.08,138.5 13.44,137.87 13.44,135.96 13.03,135.55 13.03,125.06 12.86,124.89 11.26,124.89 11.13,125.01 11.13,125.22 10.72,125.62 2.95,125.62 2.47,125.14 2.47,105.53 2.75,105.25 6.89,105.25 8.26,103.88 9.83,103.88 10.21,103.5 10.21,102.46 9.83,102.08 8.26,102.08 7.67,101.49 7.67,98.85 8.61,97.91 13.44,97.91 14.71,96.64 21.29,96.64 22.58,97.94 22.58,98.85 22.91,99.18 23.68,99.18 24.03,99.54 24.03,101.26 24.31,101.54 26.65,101.54 26.9,101.29 26.9,99.66 22.03,94.79 13.49,94.79 12.09,96.18 7.34,96.18 6.05,97.48 6.05,101.59 5.57,102.08 2.04,102.08 1.38,102.74 1.38,125.7 3.76,128.09 10.93,128.09
GND_ISO on LAY4: 79.48,135 79.18,135.3 36.63,135.3 35.92,136.01 35.92,146.65 34.47,148.1 3.31,148.1 2.44,147.24 2.44,143.78 3.08,143.15 12.73,143.15 13.21,143.63 13.21,145.11 14.02,145.92 28.22,145.92 29.16,144.98 29.16,134.01 30.08,133.09 79.25,133.09 79.48,133.32
GND_PSE on BOTTOM: 26.29,58.85 23.12,58.85 22.31,59.66 22.31,60.98 19.77,63.52 18.16,63.52 17.73,63.95 17.73,67.56 18.24,68.07 21.64,68.07 22.74,66.97 22.74,65.17 23.45,64.46 24.49,64.46 24.9,64.05 24.9,61.69 26.6,59.99 26.6,59.15
GND_SHD on TOP: 131.73,149.5 131.73,31.85 131.65,31.77 128.4,31.77 127.84,32.33 127.84,40.53 129.16,41.85 129.16,55.54 131.22,57.6 131.22,127.91 129.09,130.04 124.06,130.04 123.35,130.75 123.35,133.45 124.01,134.11 128.88,134.11 131.22,136.44 131.22,148.56 130.66,149.12 106.68,149.12 106.38,148.81 106.38,142.39 106.05,142.06 103.28,142.06 102.95,142.39 102.95,148.84 102.67,149.12 81.87,149.12 81.46,148.71 81.46,142.62 80.88,142.03 76.28,142.03 75.11,140.86 72.06,140.86 71.23,140.03 69.9,140.03 69.57,140.36 69.57,148.64 69.09,149.12 59.19,149.12 58.65,148.58 58.65,140.48 57.74,139.57 53.32,139.57 52.79,139.03 52.79,137.18 52.25,136.65 51.18,136.65 50.55,137.28 50.55,148.51 49.94,149.12 40.44,149.12 39.68,148.36 39.68,137.03 39.17,136.52 37.85,136.52 37.32,137.05 37.32,148.33 36.53,149.12 1.65,149.12 0.87,148.33 0.87,136.6 2.37,135.1 7.22,135.1 8.67,133.65 8.67,131.19 7.73,130.25 2.21,130.25 0.87,128.9 0.87,30.68 1.07,30.47 7.62,30.47 8.77,29.33 8.77,26.97 7.34,25.55 1.35,25.55 0.87,25.06 0.87,4.92 1.65,4.14 17.3,4.14 17.96,4.8 17.96,11.86 16.77,13.05 16.77,13.76 17.17,14.17 20.6,14.17 20.91,13.86 20.91,12.54 19.56,11.2 19.56,4.8 20.22,4.14 37.52,4.14 38.61,5.23 38.61,9.27 34.93,12.95 34.93,13.81 35.39,14.27 36.48,14.27 37.14,13.61 37.14,12.77 38.31,11.6 39.45,11.6 39.91,11.15 39.91,4.44 40.21,4.14 52.73,4.14 53.12,4.52 53.12,11.2 53.5,11.58 53.98,11.58 54.41,11.15 54.41,4.52 54.79,4.14 58.3,4.14 58.58,4.41 58.58,7.64 58.86,7.92 59.36,7.92 59.77,7.51 59.77,4.36 60,4.14 66.96,4.14 67.21,4.39 67.21,7.74 67.44,7.97 68.05,7.97 68.36,7.67 68.36,4.44 68.66,4.14 71.73,4.14 72.01,4.41 72.01,7.61 72.32,7.92 72.95,7.92 73.18,7.69 73.18,4.39 73.44,4.14 80.27,4.14 80.65,4.52 80.65,7.77 80.93,8.05 81.44,8.05 81.79,7.69 81.79,3.75 82.5,3.04 91.42,3.04 92.41,4.03 94.34,4.03 95.2,4.9 95.2,7.61 94.7,8.12 94.7,14.14 94.8,14.24 95.69,14.24 95.79,14.14 95.79,8.4 96.22,7.97 96.22,2.94 96.63,2.53 106.35,2.53 106.94,3.12 106.94,8.25 107.5,8.81 107.5,14.09 107.65,14.24 108.41,14.24 108.56,14.09 108.56,8.38 107.85,7.67 107.85,4.77 108.59,4.03 126.62,4.03 127.84,5.25 127.84,32.3 128.4,31.74 131.65,31.74 131.73,31.67 131.73,2.48 131.55,2.31 108.82,2.31 108.56,2.05 108.56,0.38 108.46,0.27 94.72,0.27 94.62,0.38 94.62,1.8 94.11,2.31 0.33,2.31 0.26,2.38 0.26,149.55 0.44,149.73 131.5,149.73 ; 5 cut-outs
GND_SHD on BOTTOM: 131.73,149.5 131.73,31.85 131.65,31.77 128.4,31.77 127.84,32.33 127.84,40.53 129.16,41.85 129.16,55.54 131.22,57.6 131.22,127.91 129.09,130.04 124.06,130.04 123.35,130.75 123.35,133.45 124.01,134.11 128.88,134.11 131.22,136.44 131.22,148.56 130.66,149.12 106.68,149.12 106.38,148.81 106.38,142.46 105.97,142.06 103.36,142.06 102.95,142.46 102.95,148.84 102.67,149.12 81.87,149.12 81.46,148.71 81.46,142.67 80.83,142.03 76.28,142.03 75.11,140.86 72.06,140.86 71.23,140.03 69.9,140.03 69.57,140.36 69.57,148.64 69.09,149.12 59.19,149.12 58.65,148.58 58.65,140.48 57.74,139.57 53.32,139.57 52.79,139.03 52.79,137.18 52.25,136.65 51.18,136.65 50.55,137.28 50.55,148.51 49.94,149.12 40.44,149.12 39.68,148.36 39.68,137.03 39.17,136.52 37.85,136.52 37.32,137.05 37.32,148.33 36.53,149.12 1.65,149.12 0.87,148.33 0.87,136.6 2.37,135.1 7.22,135.1 8.67,133.65 8.67,131.19 7.73,130.25 2.21,130.25 0.87,128.9 0.87,48.69 0.44,48.25 0.44,30.91 0.87,30.47 8.36,30.47 9.99,32.1 9.99,33.65 10.98,34.64 17.78,34.64 18.32,34.11 18.32,32.91 18.14,32.74 12.93,32.74 11.26,31.06 11.26,29.94 10.16,28.85 10.16,28.04 7.67,25.55 1.35,25.55 0.87,25.06 0.87,4.92 1.65,4.14 17.3,4.14 17.96,4.8 17.96,11.86 16.77,13.05 16.77,13.76 17.17,14.17 20.6,14.17 20.91,13.86 20.91,12.54 19.56,11.2 19.56,4.8 20.22,4.14 37.52,4.14 38.61,5.23 38.61,9.27 34.93,12.95 34.93,13.81 35.39,14.27 36.48,14.27 37.14,13.61 37.14,12.77 38.31,11.6 39.45,11.6 39.91,11.15 39.91,4.44 40.21,4.14 52.73,4.14 53.12,4.52 53.12,11.2 53.5,11.58 53.98,11.58 54.41,11.15 54.41,4.52 54.79,4.14 58.3,4.14 58.58,4.41 58.58,7.64 58.86,7.92 59.36,7.92 59.77,7.51 59.77,4.36 60,4.14 66.96,4.14 67.21,4.39 67.21,7.74 67.44,7.97 68.05,7.97 68.36,7.67 68.36,4.44 68.66,4.14 71.73,4.14 72.01,4.41 72.01,7.61 72.32,7.92 72.95,7.92 73.18,7.69 73.18,4.39 73.44,4.14 80.27,4.14 80.65,4.52 80.65,7.77 80.93,8.05 81.44,8.05 81.79,7.69 81.79,3.75 82.5,3.04 91.42,3.04 92.41,4.03 94.34,4.03 95.2,4.9 95.2,7.61 94.7,8.12 94.7,14.14 94.8,14.24 95.69,14.24 95.79,14.14 95.79,8.4 96.22,7.97 96.22,2.94 96.63,2.53 106.35,2.53 106.94,3.12 106.94,8.25 107.5,8.81 107.5,14.09 107.65,14.24 108.41,14.24 108.56,14.09 108.56,8.38 107.85,7.67 107.85,4.77 108.59,4.03 126.62,4.03 127.84,5.25 127.84,32.3 128.4,31.74 131.65,31.74 131.73,31.67 131.73,2.48 131.55,2.31 108.82,2.31 108.56,2.05 108.56,0.38 108.46,0.27 94.67,0.27 94.62,0.33 94.62,1.8 94.11,2.31 0.33,2.31 0.26,2.38 0.26,149.55 0.44,149.73 131.5,149.73 ; 5 cut-outs
GND_SHD on GND02: 131.73,149.5 131.73,31.85 131.65,31.77 128.4,31.77 127.84,32.33 127.84,40.53 129.16,41.85 129.16,55.54 131.22,57.6 131.22,127.91 129.09,130.04 124.06,130.04 123.35,130.75 123.35,133.45 124.01,134.11 128.88,134.11 131.22,136.44 131.22,148.56 130.66,149.12 106.68,149.12 106.38,148.81 106.38,142.41 106.02,142.06 103.25,142.06 102.95,142.36 102.95,148.84 102.67,149.12 81.87,149.12 81.46,148.71 81.46,142.69 80.8,142.03 76.28,142.03 75.11,140.86 72.06,140.86 71.23,140.03 69.9,140.03 69.57,140.36 69.57,148.64 69.09,149.12 59.19,149.12 58.65,148.58 58.65,140.48 57.74,139.57 53.32,139.57 52.79,139.03 52.79,137.18 52.25,136.65 51.18,136.65 50.55,137.28 50.55,148.51 49.94,149.12 40.44,149.12 39.68,148.36 39.68,137.03 39.17,136.52 37.85,136.52 37.32,137.05 37.32,148.33 36.53,149.12 1.65,149.12 0.87,148.33 0.87,136.6 2.37,135.1 7.22,135.1 8.67,133.65 8.67,131.19 7.73,130.25 2.21,130.25 0.87,128.9 0.87,30.68 1.07,30.47 7.04,30.47 8.06,29.46 8.06,26.49 7.12,25.55 1.35,25.55 0.87,25.06 0.87,4.92 1.65,4.14 17.3,4.14 17.96,4.8 17.96,11.86 16.77,13.05 16.77,13.76 17.17,14.17 20.6,14.17 20.91,13.86 20.91,12.54 19.56,11.2 19.56,4.8 20.22,4.14 37.52,4.14 38.61,5.23 38.61,9.27 34.93,12.95 34.93,13.81 35.39,14.27 36.48,14.27 37.14,13.61 37.14,12.77 38.31,11.6 39.45,11.6 39.91,11.15 39.91,4.44 40.21,4.14 52.73,4.14 53.12,4.52 53.12,11.2 53.5,11.58 53.98,11.58 54.41,11.15 54.41,4.52 54.79,4.14 58.3,4.14 58.58,4.41 58.58,7.64 58.86,7.92 59.36,7.92 59.77,7.51 59.77,4.36 60,4.14 66.96,4.14 67.21,4.39 67.21,7.74 67.44,7.97 68.05,7.97 68.36,7.67 68.36,4.44 68.66,4.14 71.73,4.14 72.01,4.41 72.01,7.61 72.32,7.92 72.95,7.92 73.18,7.69 73.18,4.39 73.44,4.14 80.27,4.14 80.65,4.52 80.65,7.77 80.93,8.05 81.44,8.05 81.79,7.69 81.79,3.75 82.5,3.04 91.42,3.04 92.41,4.03 94.34,4.03 95.2,4.9 95.2,7.61 94.7,8.12 94.7,14.14 94.8,14.24 95.69,14.24 95.79,14.14 95.79,8.4 96.22,7.97 96.22,2.94 96.63,2.53 106.35,2.53 106.94,3.12 106.94,8.25 107.5,8.81 107.5,14.09 107.65,14.24 108.41,14.24 108.56,14.09 108.56,8.38 107.85,7.67 107.85,4.77 108.59,4.03 126.62,4.03 127.84,5.25 127.84,32.3 128.4,31.74 131.65,31.74 131.73,31.67 131.73,2.48 131.55,2.31 108.82,2.31 108.56,2.05 108.56,0.38 108.46,0.27 94.67,0.27 94.62,0.33 94.62,1.8 94.11,2.31 0.33,2.31 0.26,2.38 0.26,149.55 0.44,149.73 131.5,149.73 ; 5 cut-outs
GND_SHD on LAY3: 131.73,149.5 131.73,31.85 131.65,31.77 128.4,31.77 127.84,32.33 127.84,40.53 129.16,41.85 129.16,55.54 131.22,57.6 131.22,127.91 129.09,130.04 124.06,130.04 123.35,130.75 123.35,133.45 124.01,134.11 128.88,134.11 131.22,136.44 131.22,148.56 130.66,149.12 106.68,149.12 106.38,148.81 106.38,142.41 106.02,142.06 103.25,142.06 102.95,142.36 102.95,148.84 102.67,149.12 81.87,149.12 81.46,148.71 81.46,142.54 80.95,142.03 76.28,142.03 75.11,140.86 72.06,140.86 71.23,140.03 69.9,140.03 69.57,140.36 69.57,148.64 69.09,149.12 59.19,149.12 58.65,148.58 58.65,140.48 57.74,139.57 53.32,139.57 52.79,139.03 52.79,137.18 52.25,136.65 51.18,136.65 50.55,137.28 50.55,148.51 49.94,149.12 40.44,149.12 39.68,148.36 39.68,137.03 39.17,136.52 37.85,136.52 37.32,137.05 37.32,148.33 36.53,149.12 1.65,149.12 0.87,148.33 0.87,136.6 2.37,135.1 7.22,135.1 8.67,133.65 8.67,131.19 7.73,130.25 2.21,130.25 0.87,128.9 0.87,30.68 1.07,30.47 7.95,30.47 8.87,29.56 8.87,26.59 7.83,25.55 1.35,25.55 0.87,25.06 0.87,4.92 1.65,4.14 17.3,4.14 17.96,4.8 17.96,11.86 16.77,13.05 16.77,13.76 17.17,14.17 20.6,14.17 20.91,13.86 20.91,12.54 19.56,11.2 19.56,4.8 20.22,4.14 37.52,4.14 38.61,5.23 38.61,9.27 34.93,12.95 34.93,13.81 35.39,14.27 36.48,14.27 37.14,13.61 37.14,12.77 38.31,11.6 39.45,11.6 39.91,11.15 39.91,4.44 40.21,4.14 52.73,4.14 53.12,4.52 53.12,11.2 53.5,11.58 53.98,11.58 54.41,11.15 54.41,4.52 54.79,4.14 58.3,4.14 58.58,4.41 58.58,7.64 58.86,7.92 59.36,7.92 59.77,7.51 59.77,4.36 60,4.14 66.96,4.14 67.21,4.39 67.21,7.74 67.44,7.97 68.05,7.97 68.36,7.67 68.36,4.44 68.66,4.14 71.73,4.14 72.01,4.41 72.01,7.61 72.32,7.92 72.95,7.92 73.18,7.69 73.18,4.39 73.44,4.14 80.27,4.14 80.65,4.52 80.65,7.77 80.93,8.05 81.44,8.05 81.79,7.69 81.79,3.75 82.5,3.04 91.42,3.04 92.41,4.03 94.34,4.03 95.2,4.9 95.2,7.61 94.7,8.12 94.7,14.14 94.8,14.24 95.69,14.24 95.79,14.14 95.79,8.4 96.22,7.97 96.22,2.94 96.63,2.53 106.35,2.53 106.94,3.12 106.94,8.25 107.5,8.81 107.5,14.09 107.65,14.24 108.41,14.24 108.56,14.09 108.56,8.38 107.85,7.67 107.85,4.77 108.59,4.03 126.62,4.03 127.84,5.25 127.84,32.3 128.4,31.74 131.65,31.74 131.73,31.67 131.73,2.48 131.55,2.31 108.82,2.31 108.56,2.05 108.56,0.38 108.46,0.27 94.67,0.27 94.62,0.33 94.62,1.8 94.11,2.31 0.33,2.31 0.26,2.38 0.26,149.55 0.44,149.73 131.5,149.73 ; 5 cut-outs
GND_SHD on LAY4: 131.73,149.5 131.73,31.85 131.65,31.77 128.4,31.77 127.84,32.33 127.84,40.53 129.16,41.85 129.16,55.54 131.22,57.6 131.22,127.91 129.09,130.04 124.06,130.04 123.35,130.75 123.35,133.45 124.01,134.11 128.88,134.11 131.22,136.44 131.22,148.56 130.66,149.12 106.68,149.12 106.38,148.81 106.38,142.44 106.02,142.08 103.28,142.08 102.95,142.41 102.95,148.84 102.67,149.12 81.87,149.12 81.46,148.71 81.46,142.57 80.93,142.03 76.28,142.03 75.11,140.86 72.06,140.86 71.23,140.03 69.9,140.03 69.57,140.36 69.57,148.64 69.09,149.12 59.19,149.12 58.65,148.58 58.65,140.48 57.74,139.57 53.32,139.57 52.79,139.03 52.79,137.18 52.25,136.65 51.18,136.65 50.55,137.28 50.55,148.51 49.94,149.12 40.44,149.12 39.68,148.36 39.68,137.03 39.17,136.52 37.85,136.52 37.32,137.05 37.32,148.33 36.53,149.12 1.65,149.12 0.87,148.33 0.87,136.6 2.37,135.1 7.22,135.1 8.67,133.65 8.67,131.19 7.73,130.25 2.21,130.25 0.87,128.9 0.87,48.69 0.44,48.25 0.44,30.91 0.87,30.47 8.36,30.47 9.99,32.1 9.99,33.65 10.98,34.64 17.78,34.64 18.32,34.11 18.32,32.91 18.14,32.74 12.93,32.74 11.26,31.06 11.26,29.94 6.86,25.55 1.35,25.55 0.87,25.06 0.87,4.92 1.65,4.14 17.3,4.14 17.96,4.8 17.96,11.86 16.77,13.05 16.77,13.76 17.17,14.17 20.6,14.17 20.91,13.86 20.91,12.54 19.56,11.2 19.56,4.8 20.22,4.14 37.52,4.14 38.61,5.23 38.61,9.27 34.93,12.95 34.93,13.81 35.39,14.27 36.48,14.27 37.14,13.61 37.14,12.77 38.31,11.6 39.45,11.6 39.91,11.15 39.91,4.44 40.21,4.14 52.73,4.14 53.12,4.52 53.12,11.2 53.5,11.58 53.98,11.58 54.41,11.15 54.41,4.52 54.79,4.14 58.3,4.14 58.58,4.41 58.58,7.64 58.86,7.92 59.36,7.92 59.77,7.51 59.77,4.36 60,4.14 66.96,4.14 67.21,4.39 67.21,7.74 67.44,7.97 68.05,7.97 68.36,7.67 68.36,4.44 68.66,4.14 71.73,4.14 72.01,4.41 72.01,7.61 72.32,7.92 72.95,7.92 73.18,7.69 73.18,4.39 73.44,4.14 80.27,4.14 80.65,4.52 80.65,7.77 80.93,8.05 81.44,8.05 81.79,7.69 81.79,3.75 82.5,3.04 91.42,3.04 92.41,4.03 94.34,4.03 95.2,4.9 95.2,7.61 94.7,8.12 94.7,14.14 94.8,14.24 95.69,14.24 95.79,14.14 95.79,8.4 96.22,7.97 96.22,2.94 96.63,2.53 106.35,2.53 106.94,3.12 106.94,8.25 107.5,8.81 107.5,14.09 107.65,14.24 108.41,14.24 108.56,14.09 108.56,8.38 107.85,7.67 107.85,4.77 108.59,4.03 126.62,4.03 127.84,5.25 127.84,32.3 128.4,31.74 131.65,31.74 131.73,31.67 131.73,2.48 131.55,2.31 108.82,2.31 108.56,2.05 108.56,0.38 108.46,0.27 94.67,0.27 94.62,0.33 94.62,1.8 94.11,2.31 0.33,2.31 0.26,2.38 0.26,149.55 0.44,149.73 131.5,149.73 ; 5 cut-outs